# Altium PCB roach2.PcbDoc (part 7 of 39) (continued)
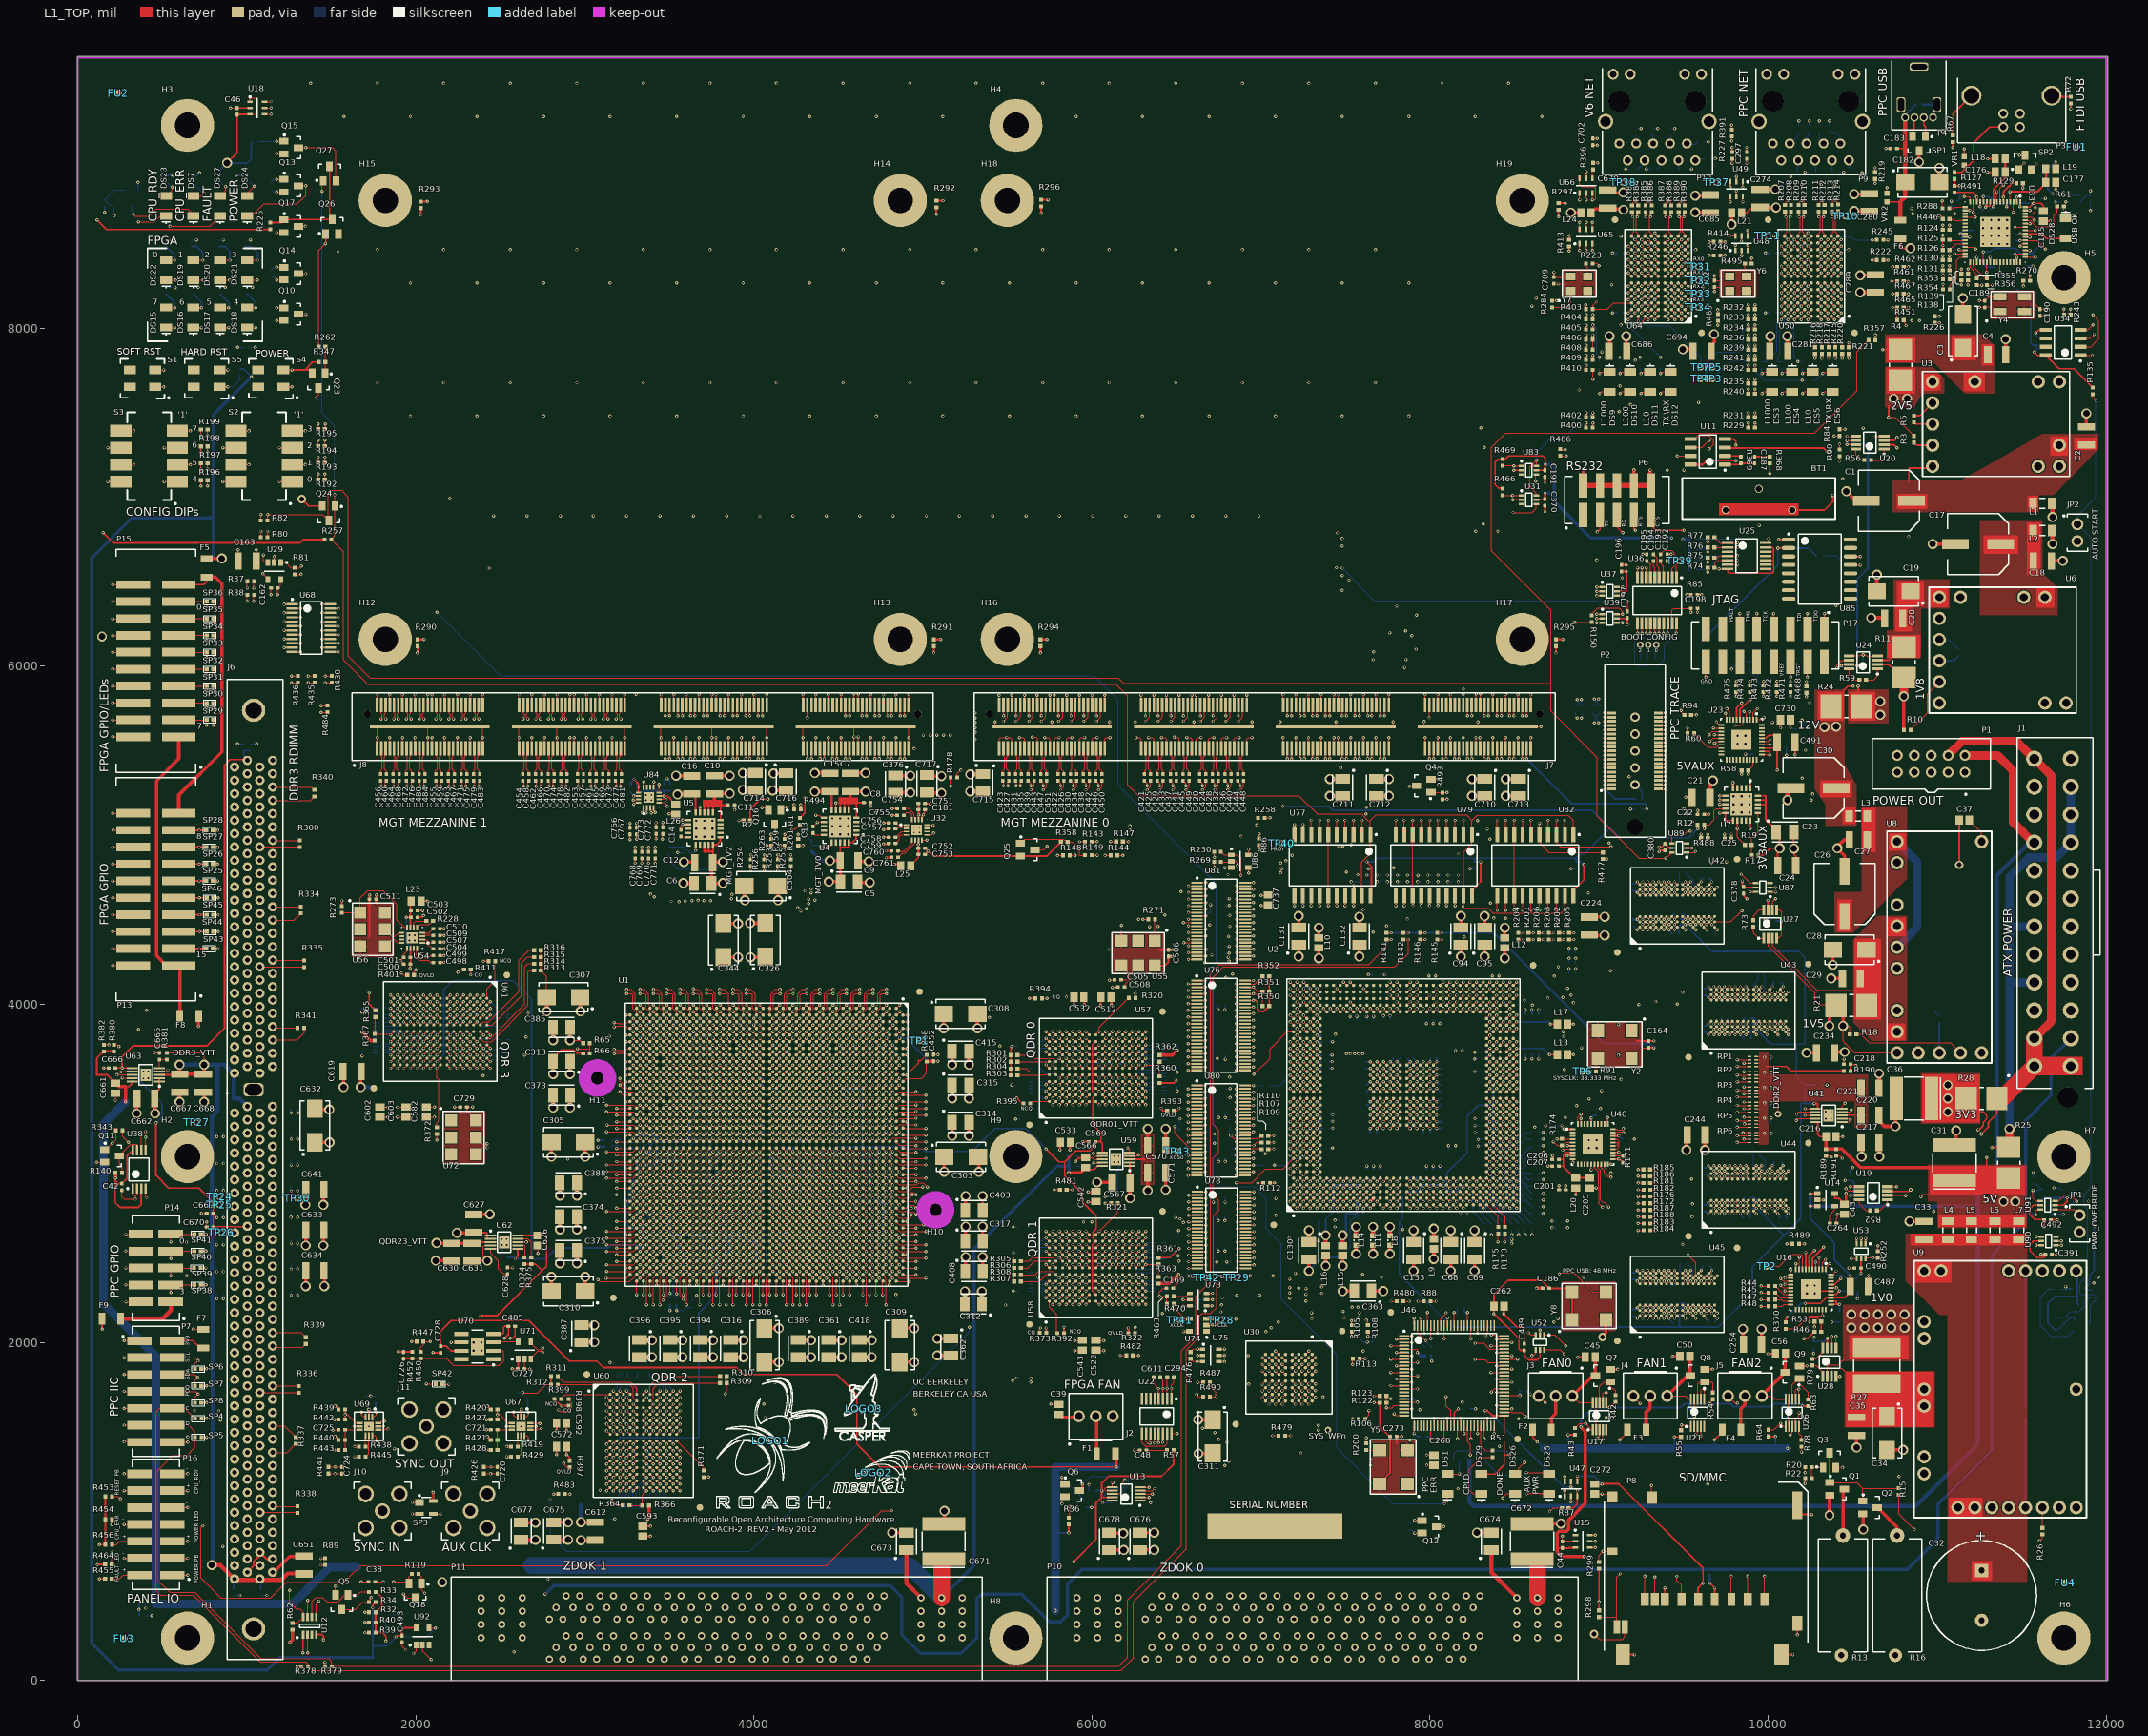
[diagram p0: L1_TOP view]
## Nets (pads, with @x,y where several pads share a name; then routed paths per layer and width w, separated by ;. In a path a pad name is that pad's centre, name@x,y a point inside that pad or via, vN(x,y) a via of type N, cw(c..) or ccw(c..) an arc to the next point about the centre after c; other vN are vias at no path point) (continued)
  L1_TOP w10: v3(1765.68,4647.31) C511.2@1765.68,4622.99 1765.68,4596.12 U56.6@1818.81,4542.99 ; L23.1@2044.68,4610.31 v2(2068.99,4610.31) ; C729.2@2302.68,3392.99 2302.68,3367.12 U72.6@2356.81,3312.99 ; U20.2@10686.65,7310.2 10745.79,7310.2 v10(10762.99,7292.99) ; v10(10712.99,7472.99) 10712.99,7542.99
  L1_TOP w12: v2(3498.99,5126.99) L26.2@3534.99,5126.99 ; v2(4830.99,4828.99) L25.2@4866.99,4828.99 ; U55.6@6372.99,4229.17 6431.17,4229.17 6452.99,4250.99 C506.2@6452.99,4283.31 ; C506.2@6456.99,4282.99 v3(6472.99,4282.99)
  L1_TOP w20: C675.1@2815.99,832.81 v5(2901.58,832.81) ; v11(2912.99,3587.99) C313.1@2912.99,3673.58 ; v11(2912.99,3787.99) C385.1@2912.99,3873.58 ; v11(2952.99,2867.99) C388.1@2952.99,2953.58 ; C316.1@3852.4,2012.99 v11(3937.99,2012.99) ; C389.1@4252.4,2012.99 v11(4337.99,2012.99) ; C361.1@4432.4,2012.99 v11(4517.99,2012.99) ; C418.1@4612.4,2012.99 v11(4697.99,2012.99) ; v5(5084.99,2022.99) C362.1@5170.58,2022.99 ; v5(5172.99,3222.99) C314.1@5172.99,3308.58 ; v5(5172.99,3442.99) C315.1@5172.99,3528.58 ; C317.1@5252.99,2599.41 v5(5252.99,2685) ; C312.1@5348.89,2216.2 v11(5348.89,2301.79) ; C676.1@6282.99,771.81 v5(6368.58,771.81) ; L12.1@8442.99,4397.52 v5@8442.99,4442.99 ; v5@8832.99,8702.99 8852.99,8682.99 L24.1@8888.46,8682.99 ; C686.2@9160.99,7897.52 v5@9160.99,7942.99 ; v5@9578.99,8684.99 C685.2@9624.46,8684.99 ; v5@9782.99,8624.52 L21.1@9782.99,8669.99 ; C281.2@10112.99,7897.52 v5@10112.99,7942.99 ; v5@10518.99,8692.99 C280.2@10564.46,8692.99
  L3_S w10: v10(10712.99,7472.99) 10712.99,7452.99 10792.99,7372.99 10792.99,7322.99 v10(10762.99,7292.99)
  L16_BOT w5: R260.2@6520.99,3296.65 v2(6520.99,3323.31) ; v2(6723.99,3232.99) C749.2@6747.99,3232.99 ; v8(6740.7,3679.99) C740.2@6740.7,3703.99 ; v8(6746.96,2540.24) C736.2@6746.96,2564.24 ; v8(6748.86,3070.01) C750.2@6748.86,3094.01 ; C746.2@6787.99,4303.36 v8(6811.99,4303.36) ; C739.2@6792.99,3502.99 v2(6816.99,3502.99) ; C745.2@6797.99,2452.99 v2(6797.99,2476.99) ; v2(6936.63,2392.99) C735.2@6960.63,2392.99
  L16_BOT w10: C723.2@1762.99,1643.31 1762.99,1590.99 v2(1765.99,1587.99) ; C719.2@2662.99,1663.31 2662.99,1590.99 v2(2665.99,1587.99) ; v1@3287.4,3523.62 C419.2@3306.09,3542.31 C419.2@3307.09,3543.31 ; C371.2@4133.86,3110.24 v1@4153.54,3129.92 ; v1@4153.54,2578.74 C365.2@4173.23,2598.42 ; C392.2@4174.21,2873.03 v1@4192.91,2854.33 ; v1@4271.65,2893.7 C393.2@4290.35,2912.4 ; C393.2@4292.32,2912.4 v1@4311.02,2893.7 ; v1@4311.02,2500 C366.2@4330.71,2519.68 ; v1@4665.36,2618.11 C386.2@4684.06,2636.81 ; v2(6540.99,2214.99) 6542.68,2213.31 C53.2@6627.99,2213.31 ; C687.2@9141.73,8090.55 v1(9173.23,8090.55) ; C690.2@9145.67,8444.88 v1(9173.23,8444.88) ; v1(9212.6,8405.51) C691.2@9232.28,8425.2 ; v1(9251.97,8248.03) C688.2@9271.65,8267.72 ; C692.2@9389.76,8110.24 v1(9409.45,8090.55) ; C693.2@9468.5,8149.61 v1(9488.19,8129.92) ; v1(9488.19,8484.25) C689.2@9507.87,8464.57 v1(9527.56,8444.88) ; C286.2@10047.24,8090.55 v1(10078.74,8090.55) ; C287.2@10048.23,8444.88 v1(10078.74,8444.88) ; v1(10118.11,8405.51) C284.2@10137.8,8425.2 ; v1(10157.48,8248.03) C283.2@10177.17,8267.72 ; C288.2@10295.28,8110.24 v1(10314.96,8090.55) ; C282.2@10374.02,8149.61 v1(10393.7,8129.92) ; v1(10393.7,8484.25) C285.2@10413.39,8464.57 v1(10433.07,8444.88)
  other v1: 4605.4,2338.98 6671.89,3402.98 6569.89,3727.39 6669.89,4022.98
  other v2: 2336.68,3392.99 7053.39,5103.39
  other v5: 8442.99,4452.99 10742.99,7582.99 10822.99,7582.99 9160.99,7952.99 10112.99,7952.99 9782.99,8614.52 8832.99,8682.99 9568.99,8684.99 10508.99,8692.99
2V5_PPC: C85.2 C86.2 C87.2 C88.2 C89.2 C90.2 C94.1 C95.1 C96.2 C97.2 C98.2 C99.2 C100.2 C101.2 L12.2 U2.AA22 U2.AB21 U2.AC33 U2.AF30 U2.AH30 U2.AJ30 U2.AK26 U2.AK28 U2.AK29 U2.AK33 U2.AN23 U2.AN30 | length 807.4
  L1_TOP w5: U2.AA22@7980.79,3640.16 v1(8000.47,3659.84) ; U2.AB21@8020.16,3600.79 v1(8039.84,3620.47) ; U2.AC33@8059.53,4073.23 v1(8079.21,4092.91) ; U2.AF30@8177.64,3955.12 v1(8197.32,3974.8) ; U2.AH30@8256.38,3955.12 v1(8276.06,3974.8) ; U2.AJ30@8295.75,3955.12 v1(8315.43,3974.8) ; U2.AK26@8335.12,3797.64 v1(8354.8,3817.32) ; U2.AK28@8335.12,3876.38 v1(8354.8,3896.06) ; U2.AK29@8335.12,3915.75 v1(8354.8,3935.43) ; U2.AK33@8335.12,4073.23 v1(8354.8,4092.91) ; U2.AN23@8453.23,3679.53 v1(8472.91,3699.21) ; U2.AN30@8453.23,3955.12 v1(8472.91,3974.8)
  L1_TOP w20: v5@8182.99,4292.99 C94.1@8182.99,4338.46 ; v5@8322.99,4292.99 C95.1@8322.99,4338.46 ; v5@8442.99,4282.99 L12.2@8442.99,4328.46
  L16_BOT w10: v1(8000.47,3659.84) 8000.47,3679.61 8001.97,3681.1 C85.2@8001.97,3683.07 ; v8@8033.46,4163.39 v8(8033.46,4167.32) C98.2@8033.46,4183.07 ; v1(8039.84,3620.47) 8064.57,3620.47 C86.2@8064.96,3620.08 ; C90.2@8188.98,3960.63 8197.32,3968.98 v1(8197.32,3974.8) ; v1@8190.94,3722.44 v1(8190.94,3726.38) C99.2@8190.94,3742.13 ; v1@8275.59,3974.41 8275.63,3974.37 C89.2@8295.28,3954.72 v1@8314.96,3974.41 ; C87.2@8334.65,3799.21 v1@8352.36,3816.93 ; C96.2@8334.65,3875.98 v1@8352.36,3893.7 ; v1@8350.39,3895.67 8350.39,3896.06 8350.39,3899.61 C88.2@8334.65,3915.35 v1@8352.36,3933.07 ; v8@8368.11,4163.39 v8(8368.11,4167.32) C101.2@8368.11,4183.07 ; C100.2@8452.76,3956.69 8470.47,3974.41 v1@8472.44,3974.41 ; v1@8474.41,3698.82 8474.41,3699.21 8474.41,3700.79 C97.2@8492.13,3718.5
  other v5: 8442.99,4272.99 8182.99,4282.99 8322.99,4282.99
2V5MON: C3.1 C4.2 R4.1 U3.5 U20.3 | length 724.2
  L1_TOP w10: v10(10677.99,7872.99) 10697.99,7872.99 ; U20.3@10686.65,7335.79 10745.79,7335.79 v10(10762.99,7352.99)
  L3_S w10: v10@10673.86,7871.12 10673.15,7872.68 10675.41,7870.41 10677.99,7867.84 10677.99,7818.99 10602.99,7743.99 10602.99,7531.99 10762.99,7371.99 v10(10762.99,7352.99)
3V3: C15.2 C16.2 C36.1 C162.2 C164.2 C166.2 C167.2 C168.2 C186.2 C196.2 C197.2 C198.2 C262.2 C263.2 C265.2 C266.2 C267.2 C273.2 C489.2 C490.2 C673.1 C674.1 C710.1 C711.1 C714.1 C715.1 C727.2 C733.2 C734.2 C737.2 C738.2 C742.2 C743.2 C747.2 C748.2 DS29.2 F7.2 F9.2 J6.119 J6.236 J6.237 J7.C3 J7.C4 J7.C7 J7.C8 J7.C11 J7.C12 J7.C15 J7.C16 J7.D3 J7.D4 J7.D7 J7.D8 J7.D11 J7.D12 J7.D15 J7.D16 J8.C3 J8.C4 J8.C7 J8.C8 J8.C11 J8.C12 J8.C15 J8.C16 J8.D3 J8.D4 J8.D7 J8.D8 J8.D11 J8.D12 J8.D15 J8.D16 L10.1 L15.1 L16.2 P10.W3 P10.X3 P10.Y3 P10.Z3 P11.W3 P11.X3 P11.Y3 P11.Z3 R1.2 R2.2 R28.2 R62.2 R68.2 R69.2 R70.2 R71.2 R80.2 R81.2 R83.1 R84.2 R85.2 R86.2 R87.2 R88.2 R89.2 R90.2 R96.2 R97.2 R98.2 R99.2 R100.2 R101.2 R102.2 R103.2 R104.2 R106.2 R116.1 R117.1 R118.1 R120.1 R121.1 R122.1 R141.2 R142.2 R145.2 R146.2 R150.2 R192.2 R193.2 R194.2 R195.2 R196.2 R197.2 R198.2 R199.2 R230.2 R269.2 R298.2 R299.2 R342.2 R343.2 R350.1 R351.1 R352.1 R376.2 R377.2 R418.1 R457.1 R464.2 R468.2 U4.10 U5.10 U16.4 U19.2 U25.14 U29.5 U30.D8 U30.F1 U30.F7 U30.G5 U36.19 U36.20 U37.5 U39.5 U46.5 U46.20 U46.38 U46.51 U46.88 U46.98 U47.3 U47.5 U52.5 U53.5 U68.23 U68.24 U71.1 U73.1 U73.5 U75.6 U76.1 U76.28 U76.35 U76.50 U78.31 U78.42 U80.1 U80.28 U80.35 U80.50 U81.31 U81.42 U86.5 Y2.4 Y5.4 Y8.1 Y8.4 | length 37225.9
  L1_TOP w5: R343.2@265.69,3254 265.69,3218.3 v2(300.99,3182.99) ; v2(684.99,2076.99) 685.8,2077.8 F7.2@742.99,2077.8 ; v2(768.68,7066.61) R196.2@768.68,7100.99 ; v2(768.68,7166.61) R197.2@768.68,7200.99 ; v2(768.68,7266.61) R198.2@768.68,7300.99 ; v2(768.68,7366.61) R199.2@768.68,7400.99 ; R80.2@1083.31,6762.99 v2(1083.31,6797.38) ; v2(1183.28,6424.3) 1182.68,6424.9 C162.2@1182.68,6462.99 1183.99,6462.99 1200.39,6479.39 U29.5@1200.39,6511.81 ; R81.2@1282.99,6543.31 1321.09,6543.31 v2(1321.68,6543.9) ; R195.2@1422.99,7398.99 v2(1422.99,7433.38) ; R192.2@1423.31,7102.99 v2(1423.31,7137.38) ; R193.2@1423.31,7202.99 v2(1423.31,7237.38) ; R194.2@1423.31,7302.99 v2(1423.31,7337.38) ; v3(1438.33,722.88) 1438.53,722.68 R89.2@1462.99,722.68 ; v2(1446.03,6366.74) U68.24@1494.2,6366.74 ; U68.23@1494.2,6341.15 v2(1542.36,6341.15) ; v2(2570.68,1843.99) 2571.68,1842.99 C727.2@2603.31,1842.99 ; v2(3551.28,5452.7) J8.C3@3551.28,5515.49 ; v2(3576.28,5452.7) J8.C4@3576.28,5515.49 ; v2(3701.28,5452.7) J8.C7@3701.28,5515.49 ; v2(3726.28,5452.7) J8.C8@3726.28,5515.49 ; v2(3876.28,5452.7) J8.C11@3876.28,5515.49 ; v2(3901.28,5452.7) J8.C12@3901.28,5515.49 ; v2(4026.28,5452.7) J8.C15@4026.28,5515.49 ; v2(4051.28,5452.7) J8.C16@4051.28,5515.49 ; v2(4391.28,5452.7) J8.D3@4391.28,5515.49 ; v2(4416.28,5452.7) J8.D4@4416.28,5515.49 ; v2(4541.28,5452.7) J8.D7@4541.28,5515.49 ; v2(4566.28,5452.7) J8.D8@4566.28,5515.49 ; v2(4716.28,5452.7) J8.D11@4716.28,5515.49 ; v2(4741.28,5452.7) J8.D12@4741.28,5515.49 ; v2(4866.28,5452.7) J8.D15@4866.28,5515.49 ; v2(4891.28,5452.7) J8.D16@4891.28,5515.49 ; v2(6538.99,2252.99) 6539.39,2253.39 U73.5@6586.68,2253.39 ; v1(6569.83,2988.26) U80.28@6620.83,2988.26 U80.28@6637.77,2988.26 ; v1@6569.83,3609.2 U76.28@6620.83,3609.2 U76.28@6637.77,3609.2 ; U80.1@6603.89,3519.75 U80.1@6620.83,3519.75 v1@6671.83,3519.75 ; U76.1@6603.89,4140.7 U76.1@6620.83,4140.7 v1@6671.83,4140.7 ; U73.1@6667.3,2216.59 v2@6710.59,2216.59 ; v2@6723.31,4810.68 R269.2@6723.31,4842.99 ; v2@6723.31,4870.68 R230.2@6723.31,4902.99 ; U75.6@6746.3,1960.39 v2@6778.3,1960.39 ; v1@6855.26,3106.37 U80.35@6906.26,3106.37 U80.35@6923.2,3106.37 ; v1@6855.26,3727.31 U76.35@6906.26,3727.31 U76.35@6923.2,3727.31 ; v1(6856.22,4384.73) U81.31@6907.16,4384.65 U81.31@6924.1,4384.65 ; v1@6858.36,2555.97 U78.31@6909.36,2555.97 U78.31@6926.3,2555.97 ; U80.50@6889.32,3401.64 U80.50@6906.26,3401.64 v1@6957.26,3401.64 ; U76.50@6889.32,4022.59 U76.50@6906.26,4022.59 v1@6957.26,4022.59 ; U81.42@6890.22,4601.19 U81.42@6907.16,4601.19 v1@6958.16,4601.19 ; U78.42@6892.42,2772.5 U78.42@6909.36,2772.5 v1@6960.36,2772.5 ; U86.5@6927.17,4883.86 v2@6927.17,4916.17 ; R86.2@6988.99,4982.65 v2(6988.99,5009.31) ; v2@7000.68,4644.99 C737.2@7032.99,4644.99 ; v1(7047.24,1751.97) U30.G5@7066.93,1771.65 ; v1(7086.61,1673.23) U30.F7@7106.3,1692.91 ; v1(7086.61,1948.82) U30.F1@7106.3,1929.13 ; U30.D8@7185.04,1653.54 v1(7204.73,1633.86) ; v2(7231.28,5452.7) J7.C3@7231.28,5515.49 ; v2(7256.28,5452.7) J7.C4@7256.28,5515.49 ; v2(7381.28,5452.7) J7.C7@7381.28,5515.49 ; v2(7406.28,5452.7) J7.C8@7406.28,5515.49 ; v2(7556.28,5452.7) J7.C11@7556.28,5515.49 ; v2(7581.28,5452.7) J7.C12@7581.28,5515.49 ; R106.2@7616.68,1546.99 7638.99,1569.31 v2(7638.99,1596.99) ; v2(7626.99,4764.36) v2@7627.31,4764.68 ; v2@7671.31,1642.99 R122.1@7703.31,1642.99 ; v2(7706.28,5452.7) J7.C15@7706.28,5515.49 ; v2(7731.28,5452.7) J7.C16@7731.28,5515.49 ; R141.2@7742.99,4422.68 7770.68,4422.68 v2(7770.99,4422.99) ; v2(7768.55,1665.2) U46.20@7846.73,1665.2 ; R142.2@7842.99,4422.68 v2@7870.68,4422.68 ; U46.5@7846.73,1960.47 7924.91,1960.47 7925,1960.38 v2(7925,1940) ; R146.2@7942.99,4422.68 7970.68,4422.68 v2(7970.99,4422.99) ; U46.98@7946.14,2099.25 v3(7946.14,2144.46) ; R88.2@8002.68,2242.99 v2@8034.68,2242.99 ; R145.2@8042.99,4422.68 8070.68,4422.68 v2(8070.99,4422.99) ; v2(8071.28,5452.7) J7.D3@8071.28,5515.49 ; v2(8096.28,5452.7) J7.D4@8096.28,5515.49 ; v2(8106.99,4764.36) v2@8107.31,4764.68 ; U46.88@8142.99,2099.25 v2(8142.99,2177.43) ; v2(8221.28,5452.7) J7.D7@8221.28,5515.49 ; v2(8246.28,5452.7) J7.D8@8246.28,5515.49 ; v2(8396.28,5452.7) J7.D11@8396.28,5515.49 ; v2(8421.28,5452.7) J7.D12@8421.28,5515.49 ; v2(8546.28,5452.7) J7.D15@8546.28,5515.49 ; v2(8571.28,5452.7) J7.D16@8571.28,5515.49 ; v2(8834.45,1144.87) U47.5@8834.45,1176.3 ; v3(8857,6260) 8955.69,6260 R150.2@8957,6261.31 ; U47.3@8871.85,1089.68 v2(8871.85,1121.12) ; v3@9157.31,6560.31 v3(9160,6563) ; C197.2@9167,6285.31 C197.2@9168,6284.31 ; Y2.4@9192.99,3680.31 9255.98,3743.31 C164.2@9292.99,3743.31 ; v2@9281.36,5155.99 v2(9281.68,5156.31) ; U36.19@9432.56,6254.15 9432.56,6332.33 9443.22,6342.99 C198.2@9543.31,6342.99 v3(9543.31,6318.99) v3@9543.31,6316.99 ; v2(9458.15,6195.46) U36.20@9458.15,6254.15 ; v3@9517.31,6422.99 v3(9519.31,6422.99) R85.2@9543.31,6422.99 ; U25.14@9985.2,6729.76 10000,6744.57 v6(10000,6755) ; v6(10282,2476) 10282.52,2475.48 U16.4@10282.52,2432.09 ; R90.2@10422.99,7282.68 v2(10422.99,7314.11) ; R84.2@10422.99,7402.68 v2(10454.42,7402.68)
  L1_TOP w8: v1@6957.26,4022.59 6970.41,4022.59 6979,4014 6979,3974 6996,3957 7015.68,3957 R350.1@7048.68,3990 R351.1@7048.68,4075 R352.1@7048.68,4164.99 ; DS29.2@8322.99,1222.05 8384.05,1222.05 8439.25,1277.25 8439.25,1334 ; U46.51@8439.25,1566.77 8439.25,1334 ; v6(8470,1335) 8469,1334 8439.25,1334 ; R87.2@8819.69,1020 8846.77,1020 8870.08,1043.31 8870.08,1087.91 U47.3@8871.85,1089.68 ; R468.2@10226.99,5882.68 v6(10227,5909)
  L1_TOP w10: v6(116,685) 118,687 R464.2@162.31,687 ; C727.2@2603.31,1842.99 2605.59,1845.28 U71.1@2605.59,1901.81 ; R2.2@3977.68,5087.99 3977.68,5155.68 4036,5214 v2(4084,5214) ; R1.2@4272.99,5102.68 4302,5131.69 v2(4302,5224) ; Y5.4@7700.31,1162.99 7763.31,1225.98 C273.2@7763.31,1442.99 ; R122.1@7703.31,1642.99 7703.31,1500.68 C273.2@7758.99,1444.99 ; U46.38@8142.99,1506.73 8142.99,1582.99 v2(8166.99,1606.99) ; v2(8326.99,1596.99) 8338.99,1596.99 8369.21,1566.77 U46.51@8439.25,1566.77 ; C262.2@8376.99,2200.99 v2(8376.99,2168.99) 8380.01,2168.99 8526,2023 8526,1963 8536.69,1952.31 C489.2@8557,1952.31 8557,1922 8583,1896 8635,1896 8650,1911 U52.5@8650,1956.54 ; C262.2@8378.46,2212.99 8378.46,2283.46 8462,2367 8657.69,2367 C186.2@8704.69,2320 ; R298.2@9000,414.69 v2(9000,464) R299.2@9000,660.31 ; U39.5@9106.3,6282.99 9157.01,6282.99 ; U37.5@9106.3,6442.99 9161.99,6442.99 v3@9161.99,6561.01 ; C196.2@9133,6560.31 v3@9157.31,6560.31 ; v2(9168,6245) C197.2@9168,6284.31 ; C164.2@9288.99,3742.99 v2(9323.99,3742.99) ; v2(10549.69,2408.57) C490.2@10549.69,2440 10550,2440.32 U53.5@10550,2496.69 ; U19.2@10706.65,2870.2 10810.79,2870.2 v10(10812.99,2867.99) ; v10(11242.99,3257.99) 11247.99,3257.99 11272.99,3282.99 11272.99,3302.99 11292.99,3322.99 11292.99,3342.99 11272.99,3362.99 11242.99,3362.99
  L1_TOP w12: F9.2@144.88,2140 144.88,2078.12 v6(145,2078) ; J6.119@1002.99,639.84 1040.24,677.09 1040.24,702.71 1077.8,740.27 J6.236@1077.8,757.95 1117.17,718.58 J6.237@1152.6,718.58 ; C16.2@3646.99,5245.84 3655.81,5237.02 U5.10@3655.81,5134.46 ; U4.10@4459.81,5148.46 C15.2@4459.81,5251.02 ; C186.2@8704.69,2320 8817.68,2320 8840,2297.68 Y8.1@8840,2132.32
  L1_TOP w20: v6(1255,225) 1270,240 R62.2@1270,300.31 ; v5@3535.99,5242.99 C16.2@3621.58,5242.99 ; v11(3933.99,5367.99) C714.1@4019.58,5367.99 ; v5(4360.99,5257.99) C15.2@4446.58,5257.99 ; v11(5279.99,5359.99) C715.1@5365.58,5359.99 ; L10.1@7342.99,4397.52 v5@7342.99,4442.99 ; v5@7382.99,2462.99 L16.2@7382.99,2508.46 ; v11(7407.99,5332.99) C711.1@7493.58,5332.99 ; v5@7482.99,2462.99 L15.1@7482.99,2508.46 ; v11(8247.99,5332.99) C710.1@8333.58,5332.99
  L1_TOP w25: C673.1@4902.99,771.81 4902.99,574.41 P11.Z3@4988.82,488.58 ; C674.1@8362.99,771.81 8362.99,639.41 P10.Z3@8513.82,488.58
  L3_S w10: v10(10812.99,2867.99) 10812.99,2972.99 10952.99,3112.99 11102.99,3112.99 11247.99,3257.99 v10(11242.99,3257.99)
  L5_S w70: P11.Z3@4988.82,488.58 P11.Y3@4988.82,409.84 P11.X3@4988.82,331.1 P11.W3@4988.82,252.36 4988.82,137.18 5076,50 8311.46,50 P10.W3@8513.82,252.36 P10.X3@8513.82,331.1 P10.Y3@8513.82,409.84 P10.Z3@8513.82,488.58
  L8_R w5: v2(7626.99,4764.36) v2(7686.99,4764.36) v2(7746.99,4764.36) v2(7806.99,4764.36) v2(7866.99,4764.36) 7928.09,4764.36 v2(7928.99,4763.47) 7945.47,4763.47 7962.56,4780.56 8030.79,4780.56 v2(8046.99,4764.36) v2(8106.99,4764.36)
  L8_R w12: v2(9458.15,6195.46) 9712.54,6195.46 9926,5982 9926,5908 9964,5870 10188,5870 v6(10227,5909)
  L12_S w12: v2(7746.99,4764.36) 7772.99,4738.36 7772.99,4424.99 v2(7770.99,4422.99)
  L14_S w10: 60.99,687 114,687 v6(116,685) ; v2(10549.69,2408.57) 10569.12,2428 10683,2428 10754,2499 10754,2809 v10(10812.99,2867.99)
  L14_S w12: 60.99,416.99 62.99,418.99 v2(362.99,418.99) ; 60.99,2076.99 v2(684.99,2076.99) ; 60.99,3106.99 62.71,3105.27 223.27,3105.27 v2(300.99,3182.99) ; 60.99,3896.99 62.99,3898.99 ; J6.236@1077.8,757.95 1224.03,757.95 1259.1,722.88 v3(1438.33,722.88) 1771.1,722.88 1912.99,580.99 v5(2156.99,580.99) 2314.99,580.99 2576.99,842.99 2576.99,1530.99 2552.99,1554.99 2552.99,1826.31 v2(2570.68,1843.99)
  L14_S w20: 1255,42.99 v6(1255,225)
  L14_S w50: v5(143.99,6175.99) 60.99,6092.99 60.99,3896.99 60.99,3106.99 60.99,2076.99 60.99,687 60.99,416.99 60.99,194.99 212.99,42.99 1255,42.99 1940.99,42.99 2156.99,258.99 v5(2156.99,580.99)
  L16_BOT w5: v8(6746.96,2720.24) C734.2@6746.96,2744.24 ; v8(6786.23,3968.99) C738.2@6786.23,3992.99 ; v2(6787.99,2828.99) C742.2@6787.99,2852.99 ; v8(6788.23,3330.01) C748.2@6788.23,3354.01 ; v8@6788.99,3330.99 6802.31,3317.68 R121.1@6817.99,3317.68 ; C743.2@6794.99,4585.36 v8(6811.99,4585.36) ; C747.2@6798.99,4525.36 v2(6815.99,4525.36) ; R120.1@6822.99,3108.31 6824.85,3106.45 v1(6855.32,3106.45) ; v1@6854.99,3106.99 6891.68,3106.99 R117.1@6902.99,3118.31 ; C733.2@6967.3,2278.99 v2(6991.3,2278.99) ; C168.2@7027.56,1734.25 v1@7047.24,1753.94 ; C167.2@7066.93,1929.13 7068.9,1929.13 v1@7086.61,1946.85 ; C166.2@7187.01,1614.17 7204.73,1631.89 v1(7204.73,1633.86) ; R116.1@7582.99,2023.31 7603.31,2002.99 v2(7628.99,2002.99) 7657.68,2002.99 R118.1@7677.99,2023.31 ; v2@7627.31,4764.68 R99.2@7654.99,4764.68 ; v2@7687.31,4764.68 R98.2@7714.99,4764.68 ; v2@7747.31,4764.68 R97.2@7774.99,4764.68 ; v2(7768.55,1665.2) C263.2@7818.31,1665.2 ; v2@7807.31,4764.68 R100.2@7834.99,4764.68 ; v2@7867.31,4764.68 R102.2@7894.99,4764.68 ; v2@7929.31,4763.78 R101.2@7954.99,4763.78 ; v2@8047.31,4764.68 R104.2@8074.99,4764.68 ; v2@8107.31,4764.68 R103.2@8134.99,4764.68 ; R83.1@8140.32,1304 8140.32,1338.32 8160,1358 8447,1358 v6(8470,1335) 8473,1332 8473,1322 8476.11,1318.89 R457.1@8500.32,1318.89 ; v2(8142.99,2177.43) 8157.43,2177.43 8163.31,2183.31 C265.2@8163.31,2202.99 ; v2(8166.99,1606.99) C267.2@8197.31,1606.99 ; R96.2@9253.68,5155.99 v2@9281.36,5155.99 ; R342.2@9334,6004.31 9349.31,6004.31 9386,6041 9386,6121 9420,6155 9420,6182.9 9432.56,6195.46 v2(9458.15,6195.46) ; v6(10282,2476) 10357,2401 10440,2401 10463,2378 10519.12,2378 v2(10549.69,2408.57)
  L16_BOT w10: R418.1@680,8899.68 699.68,8899.68 v6(720,8920) ; v2(8326.99,1596.99) 8338.99,1596.99 8791.12,1144.87 v2(8834.45,1144.87) 8848.1,1144.87 v2(8871.85,1121.12)
  L16_BOT w12: v2(362.99,418.99) v2@363.31,418.68 ; R377.2@363.31,382.99 v2@363.31,418.68 ; R376.2@363.31,462.99 v2@363.31,418.68 ; v2(7770.99,4422.99) v2(7870.99,4422.99) v2(7970.99,4422.99) v2(8070.99,4422.99) 8376.99,4422.99 9032.99,3766.99 9299.99,3766.99 v2(9323.99,3742.99) ; v2(8571.28,5452.7) 8836.99,5186.99 9270.99,5186.99 9281.68,5176.31 v2(9281.68,5156.31)
  L16_BOT w20: v2(7925,1940) 7945,1920 C266.2@7970.31,1920 ; v6(9495,6750) 9497.99,6752.99 R71.2@9533.31,6752.99 R70.2@9533.31,6692.99 R69.2@9533.31,6632.99 R68.2@9533.31,6572.99
  other v1: 6858.42,2556.05 6958.42,2772.9 6955.32,3402.04 6671.89,3521.09 6569.89,3609.28 6855.32,3727.39 6955.32,4022.98 6669.89,4141.09 6956.22,4601.58
  other v2: 7669.31,1642.99 6784.3,1960.39 6710,2216 8036.68,2242.99 7000.28,4644.59 6723.71,4810.28 6723.71,4870.28 6926.76,4916.57
  other v5: 7382.99,2452.99 7482.99,2452.99 11062.99,3362.99 11062.99,3442.99 11062.99,3522.99 7342.99,4452.99 3547.99,5241.99
3V3_PPC: C102.2 C103.2 C104.2 C105.2 C106.2 C107.2 C108.2 C109.2 C110.2 C130.1 C131.1 C134.2 C135.2 C155.2 C156.2 C157.2 C158.2 C159.2 C160.2 C161.2 L10.2 U2.B5 U2.B12 U2.B23 U2.B30 U2.E2 U2.E6 U2.E7 U2.E9 U2.E17 U2.E26 U2.E28 U2.E29 U2.E33 U2.F5 U2.F30 U2.G5 U2.G30 U2.J5 U2.J30 U2.M2 U2.M33 U2.N14 U2.N21 U2.P13 U2.P22 U2.U30 | length 1415.8
  L1_TOP w5: v1(7213.07,2951.18) U2.B5@7232.76,2970.87 ; v1(7213.07,3226.77) U2.B12@7232.76,3246.46 ; v1(7213.07,3699.21) U2.B23@7232.76,3679.53 ; v1(7213.07,3974.8) U2.B30@7232.76,3955.12 ; v1(7331.18,2833.07) U2.E2@7350.87,2852.76 ; v1(7331.18,2990.55) U2.E6@7350.87,3010.24 ; v1(7331.18,3029.92) U2.E7@7350.87,3049.61 ; v1(7331.18,3108.66) U2.E9@7350.87,3128.35 ; v1(7331.18,3423.62) U2.E17@7350.87,3443.31 ; v1(7331.18,3817.32) U2.E26@7350.87,3797.64 ; v1(7331.18,3896.06) U2.E28@7350.87,3876.38 ; v1(7331.18,3935.43) U2.E29@7350.87,3915.75 ; v1(7331.18,4092.91) U2.E33@7350.87,4073.23 ; v1(7370.55,2951.18) U2.F5@7390.24,2970.87 ; v1(7370.55,3974.8) U2.F30@7390.24,3955.12 ; v1(7409.92,2951.18) U2.G5@7429.61,2970.87 ; v1(7409.92,3974.8) U2.G30@7429.61,3955.12 ; v1(7488.66,2951.18) U2.J5@7508.35,2970.87 ; v1(7488.66,3974.8) U2.J30@7508.35,3955.12 ; v1(7606.77,2833.07) U2.M2@7626.46,2852.76 ; v1(7606.77,4092.91) U2.M33@7626.46,4073.23 ; v1(7646.14,3305.51) U2.N14@7665.83,3325.2 ; v1(7646.14,3620.47) U2.N21@7665.83,3600.79 ; v1(7685.51,3266.14) U2.P13@7705.2,3285.83 ; v1(7685.51,3659.84) U2.P22@7705.2,3640.16 ; v1(7803.62,3974.8) U2.U30@7823.31,3955.12
  L1_TOP w20: v5@7222.99,4292.99 C131.1@7222.99,4338.46 ; C130.1@7282.99,2607.52 v5@7282.99,2652.99 ; v5@7342.99,4282.99 L10.2@7342.99,4328.46
  L16_BOT w10: v1@7212.6,3972.44 7213.07,3972.44 7214.57,3972.44 C157.2@7232.28,3954.72 ; v1@7218.5,2954.72 7232.28,2968.5 C106.2@7232.28,2970.47 ; C158.2@7311.02,4112.2 7330.71,4092.52 7331.18,4092.52 v1@7332.68,4092.52 ; v1@7326.77,3893.7 7330.16,3897.09 C160.2@7350.39,3917.32 7331.73,3935.99 7330.71,3937.01 v1@7326.77,3937.01 ; v1(7331.18,2833.07) 7331.18,2835.12 C105.2@7342.52,2846.46 ; v1(7331.18,2990.55) 7348.43,3007.8 7348.43,3007.87 C110.2@7350.39,3009.84 ; v1(7331.18,3029.92) 7345.35,3015.75 C110.2@7348.43,3015.75 ; v1(7331.18,3108.66) 7350,3108.66 7350.39,3108.27 C155.2@7354.33,3110.24 ; v1(7331.18,3423.62) 7350,3423.62 7352.36,3421.26 C156.2@7356.3,3423.23 ; v1(7331.18,3817.32) 7354.33,3817.32 C161.2@7355.9,3817.32 ; C161.2@7354.33,3814.96 7358.27,3814.96 C161.2@7356.3,3816.93 ; v1@7370.08,3972.44 C159.2@7389.76,3952.76 v1@7409.45,3972.44 ; v1(7370.55,2951.18) 7381.89,2962.52 C108.2@7381.89,2966.54 ; C108.2@7389.76,2970.47 7409.45,2950.79 7409.92,2950.79 v1@7411.42,2950.79 ; C102.2@7407.48,3149.61 v1(7423.23,3149.61) v1@7427.17,3149.61 ; C103.2@7407.48,3779.53 v1(7423.23,3779.53) v1@7427.17,3779.53 ; v1(7488.66,2951.18) 7488.66,2965.04 C107.2@7492.13,2968.5 ; v1@7610.24,2834.65 7625.98,2850.39 C109.2@7625.98,2852.36 ; C134.2@7622.05,3622.05 7622.05,3618.11 C134.2@7624.02,3620.08 ; v2@7639.76,4175.2 7643.7,4175.2 C104.2@7659.45,4175.2 ; v1(7646.14,3620.47) C134.2@7624.41,3620.47 ; C135.2@7685.04,3240.16 v1@7685.04,3263.78 ; C161.2@7355.9,3817.32 C161.2@7356.3,3816.94 ; C161.2@7355.9,3817.32 C161.2@7356.3,3816.94 ; C134.2@7624.41,3620.47 7624.02,3620.08 C134.2@7624.41,3620.47
  other v2: 7635,4175
  other v5: 7282.99,2662.99 7342.99,4272.99 7222.99,4282.99